# Altium PCB graviton.PcbDoc (part 6 of 15) (continued)
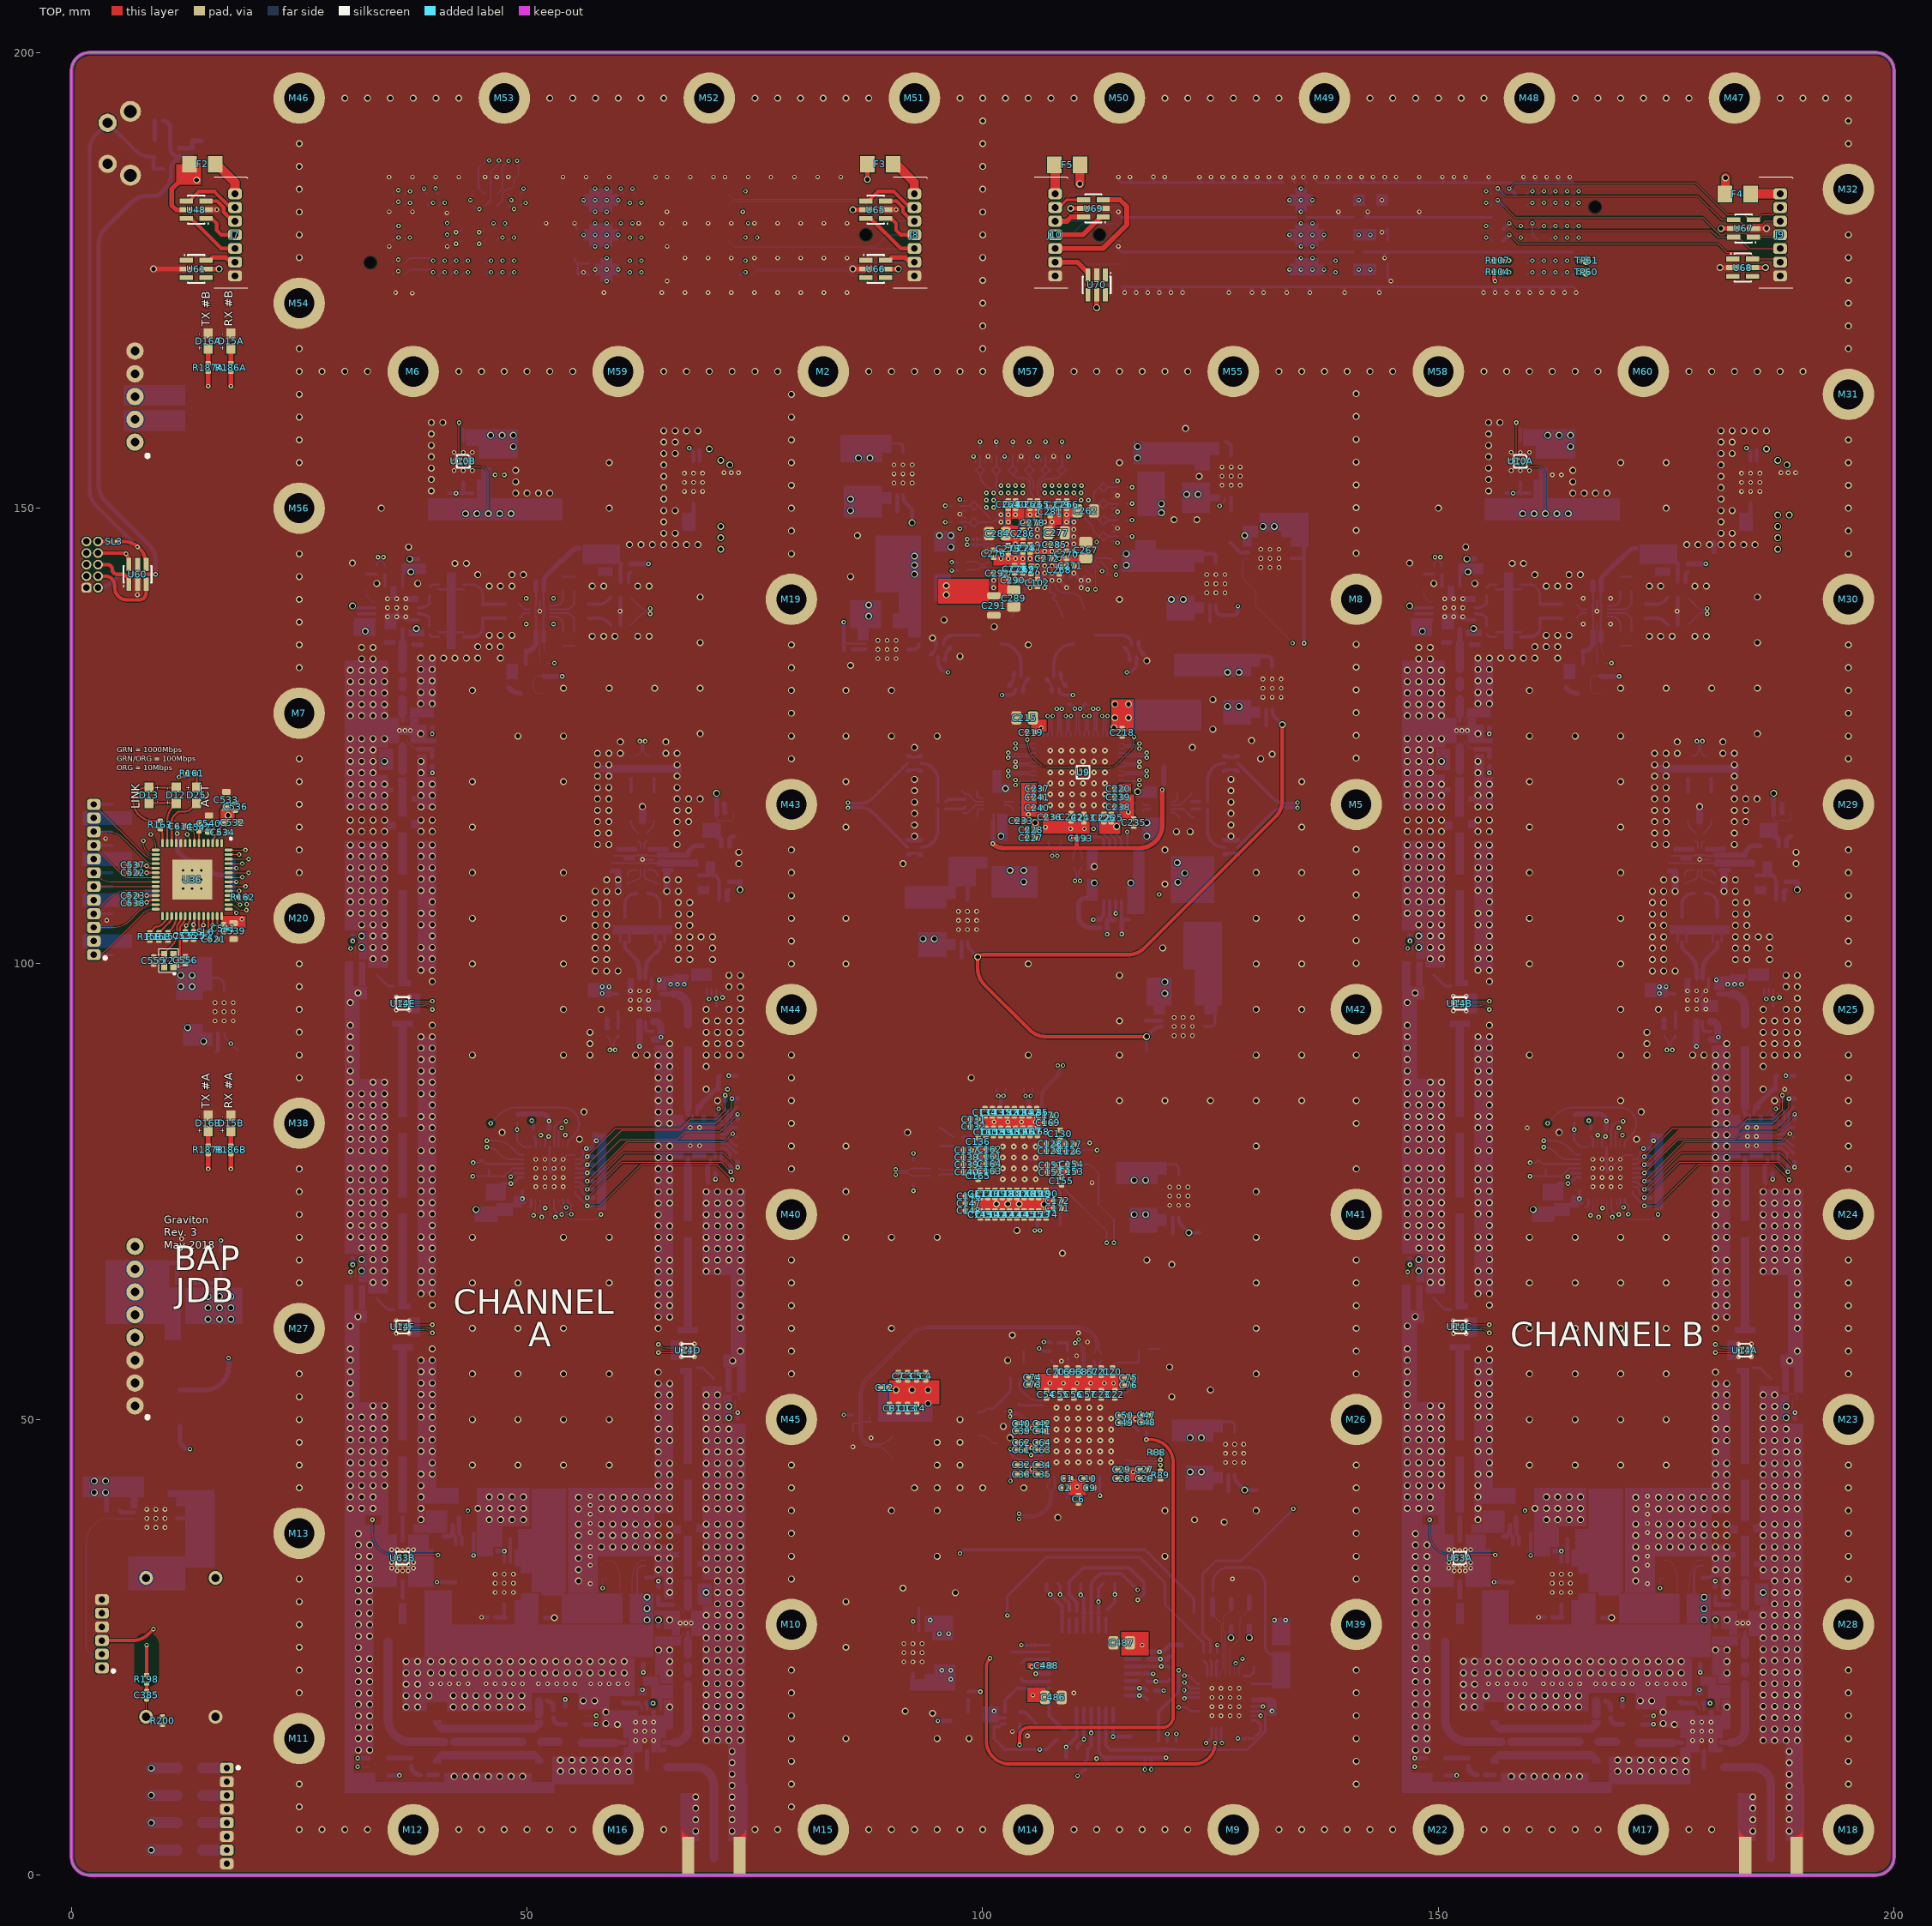
[diagram p0: TOP view]
## Nets (pads, with @x,y where several pads share a name; then routed paths per layer and width w, separated by ;. In a path a pad name is that pad's centre, name@x,y a point inside that pad or via, vN(x,y) a via of type N, cw(c..) or ccw(c..) an arc to the next point about the centre after c; other vN are vias at no path point) (continued)
  BOT w0.159: v3(107.114,127.2) cw(c107.114,127.05) v3@107.22,127.156 ; U21.50@107.15,124.95 107.15,125.301 cw(c107.581,125.301) 107.276,125.606 107.276,127.1 v3@107.22,127.156 ; J6.2@164.765,184.445 165.108,184.788 v3(165.4,184.788)
ADC0-LVDS.ADC-D13_2_P: J6.3 U21.51 | length 98.9
  S1 w0.098: v3(107.686,127.2) 107.506,127.379 107.506,129.751 114.206,136.45 115.497,136.45 134.299,155.252 134.299,166.774 134.733,167.208 ccw(c134.537,167.403) 134.813,167.403 ccw(c134.537,167.403) 134.733,167.598 134.688,167.642 cw(c134.732,167.687) 134.688,167.732 134.848,167.892 cw(c134.892,167.847) 134.937,167.892 ; 134.937,167.892 135.102,167.727 ; 135.102,167.727 135.244,167.585 ccw(c135.439,167.78) 135.634,167.585 135.794,167.745 ; 135.794,167.745 ccw(c135.599,167.94) 135.875,167.94 ccw(c135.599,167.94) 135.794,168.135 135.652,168.277 135.487,168.442 cw(c135.532,168.487) 135.487,168.531 135.647,168.691 cw(c135.691,168.646) 135.736,168.691 136.043,168.384 ccw(c136.238,168.579) 136.433,168.384 136.593,168.544 ccw(c136.398,168.739) 136.674,168.739 ccw(c136.398,168.739) 136.593,168.934 136.451,169.076 136.286,169.241 ; 136.286,169.241 cw(c136.331,169.286) 136.286,169.33 136.446,169.49 cw(c136.491,169.446) 136.535,169.491 ; 136.536,169.49 136.7,169.326 ; 136.7,169.325 136.842,169.184 ccw(c137.037,169.379) 137.232,169.184 137.392,169.343 ccw(c137.197,169.538) 137.473,169.538 ccw(c137.197,169.538) 137.392,169.734 ; 137.37,169.756 cw(c137.415,169.8) 137.37,169.845 137.569,170.044 145.101,170.044 153.482,178.425 153.482,180.808 154.905,182.231 164.313,182.231 164.863,182.781 164.863,183.913 164.975,184.025 165.175,184.025 165.4,183.8 v3(165.4,183.518)
  BOT w0.159: U21.51@107.65,124.95 107.65,125.301 ccw(c107.219,125.301) 107.524,125.606 107.524,127.1 107.58,127.156 cw(c107.686,127.05) v3(107.686,127.2) ; J6.3@164.765,183.175 165.108,183.518 v3(165.4,183.518)
ADC0-LVDS.ADC-D14_2_N: J6.35 U21.52 | length 98.1
  S1 w0.098: v3(108.114,128) 108.294,128.179 108.294,130.088 114.338,136.132 115.629,136.132 135.05,155.553 135.05,155.863 ccw(c134.987,155.863) 134.987,155.926 134.894,155.926 cw(c134.894,156.202) 134.618,156.202 134.618,156.428 cw(c134.894,156.428) 134.894,156.704 135.461,156.704 ccw(c135.461,156.767) 135.524,156.767 135.524,156.993 ccw(c135.461,156.993) 135.461,157.057 134.894,157.057 cw(c134.894,157.332) 134.618,157.332 134.618,157.558 cw(c134.894,157.558) 134.894,157.834 135.461,157.834 ccw(c135.461,157.898) 135.524,157.898 135.524,158.124 ccw(c135.461,158.124) 135.461,158.187 134.894,158.187 cw(c134.894,158.463) 134.618,158.463 134.618,158.689 cw(c134.894,158.689) 134.894,158.965 135.461,158.965 ccw(c135.461,159.028) 135.524,159.028 135.524,159.254 ccw(c135.461,159.254) 135.461,159.317 134.894,159.317 cw(c134.894,159.593) 134.618,159.593 134.618,159.819 cw(c134.894,159.819) 134.894,160.095 135.461,160.095 ccw(c135.461,160.158) 135.524,160.158 135.524,160.384 ccw(c135.461,160.384) 135.461,160.447 134.894,160.447 cw(c134.894,160.723) 134.618,160.723 134.618,160.949 cw(c134.894,160.949) 134.894,161.225 135.461,161.225 ccw(c135.461,161.288) 135.524,161.288 135.524,161.515 ccw(c135.461,161.515) 135.461,161.578 134.894,161.578 cw(c134.894,161.854) 134.618,161.854 134.618,162.08 cw(c134.894,162.08) 134.894,162.356 135.461,162.356 ccw(c135.461,162.419) 135.524,162.419 135.524,162.645 ccw(c135.461,162.645) 135.461,162.708 135.326,162.708 cw(c135.326,162.984) 135.05,162.984 135.05,163.626 135.524,164.1 135.524,167.025 138.225,169.726 145.233,169.726 153.8,178.293 153.8,180.676 155.037,181.913 160.655,181.913 v3(161.59,180.978)
  BOT w0.159: v3(108.114,128) cw(c108.114,127.851) 108.22,127.956 108.276,127.9 108.276,125.606 ccw(c108.581,125.301) 108.15,125.301 U21.52@108.15,124.95 ; J6.35@160.955,180.635 161.298,180.978 v3(161.59,180.978)
ADC0-LVDS.ADC-D14_2_P: J6.36 U21.53 | length 97.7
  S1 w0.098: v3(108.686,128) 108.506,128.179 108.506,129.999 114.426,135.919 115.717,135.919 135.263,155.465 135.263,155.863 ccw(c134.987,155.863) 134.987,156.139 134.894,156.139 cw(c134.894,156.202) 134.83,156.202 134.83,156.428 cw(c134.894,156.428) 134.894,156.491 135.461,156.491 ccw(c135.461,156.767) 135.737,156.767 135.737,156.993 ccw(c135.461,156.993) 135.461,157.269 134.894,157.269 cw(c134.894,157.332) 134.83,157.332 134.83,157.558 cw(c134.894,157.558) 134.894,157.622 135.461,157.622 ccw(c135.461,157.898) 135.737,157.898 135.737,158.124 ccw(c135.461,158.124) 135.461,158.4 134.894,158.4 cw(c134.894,158.463) 134.83,158.463 134.83,158.689 cw(c134.894,158.689) 134.894,158.752 135.461,158.752 ccw(c135.461,159.028) 135.737,159.028 135.737,159.254 ccw(c135.461,159.254) 135.461,159.53 134.894,159.53 cw(c134.894,159.593) 134.83,159.593 134.83,159.819 cw(c134.894,159.819) 134.894,159.882 135.461,159.882 ccw(c135.461,160.158) 135.737,160.158 135.737,160.384 ccw(c135.461,160.384) 135.461,160.66 134.894,160.66 cw(c134.894,160.723) 134.83,160.723 134.83,160.949 cw(c134.894,160.949) 134.894,161.013 135.461,161.013 ccw(c135.461,161.288) 135.737,161.288 135.737,161.515 ccw(c135.461,161.515) 135.461,161.79 134.894,161.79 cw(c134.894,161.854) 134.83,161.854 134.83,162.08 cw(c134.894,162.08) 134.894,162.143 135.461,162.143 ccw(c135.461,162.419) 135.737,162.419 135.737,162.645 ccw(c135.461,162.645) 135.461,162.921 135.326,162.921 cw(c135.326,162.984) 135.263,162.984 135.263,163.538 135.737,164.012 135.737,166.937 138.313,169.513 145.321,169.513 154.013,178.205 154.013,180.588 155.125,181.7 159.89,181.7 v3(160.32,181.27)
  BOT w0.159: U21.53@108.65,124.95 108.65,125.301 ccw(c108.219,125.301) 108.524,125.606 108.524,127.9 108.58,127.956 cw(c108.686,127.851) v3(108.686,128) ; v3(160.32,181.27) 160.32,180 J6.36@160.955,179.365
ADC0-LVDS.ADC-D15_2_N: J6.76 U21.54 | length 99.8
  S1 w0.098: v3(109.114,127.2) 109.294,127.379 109.294,130.336 114.558,135.601 119.601,135.601 122.9,138.9 122.9,142.652 129.186,148.938 130.875,148.938 131.261,149.324 ccw(c131.216,149.368) 131.28,149.368 ccw(c131.216,149.368) 131.261,149.413 130.782,149.892 cw(c130.978,150.087) 130.782,150.282 130.942,150.442 ; 130.942,150.442 cw(c131.137,150.247) 131.332,150.442 131.931,149.843 132.53,149.245 ccw(c132.574,149.289) 132.619,149.244 ; 132.619,149.245 132.779,149.404 ; 132.779,149.405 ccw(c132.734,149.449) 132.797,149.449 ccw(c132.734,149.449) 132.779,149.494 132.18,150.092 131.582,150.691 cw(c131.777,150.886) 131.582,151.081 131.742,151.241 cw(c131.937,151.046) 132.132,151.241 133.329,150.044 ccw(c133.373,150.089) 133.418,150.044 133.578,150.204 ccw(c133.533,150.249) 133.596,150.249 ccw(c133.533,150.249) 133.578,150.293 132.381,151.49 cw(c132.576,151.685) 132.381,151.88 132.541,152.04 cw(c132.736,151.845) 132.931,152.04 133.529,151.442 134.128,150.843 ccw(c134.173,150.888) 134.217,150.843 ; 134.218,150.843 134.377,151.003 ccw(c134.333,151.048) 134.396,151.048 ccw(c134.333,151.048) 134.377,151.092 133.18,152.289 cw(c133.375,152.485) 133.18,152.68 133.34,152.84 cw(c133.535,152.644) 133.73,152.84 134.928,151.642 ccw(c134.972,151.687) 135.017,151.642 135.177,151.803 ccw(c135.132,151.847) 135.195,151.847 ccw(c135.132,151.847) 135.177,151.891 ; 135.176,151.892 134.578,152.49 133.979,153.089 cw(c134.174,153.284) 133.979,153.479 134.139,153.639 cw(c134.334,153.444) 134.529,153.639 135.008,153.16 ccw(c135.053,153.205) 135.097,153.16 135.637,153.7 135.65,153.7 136.055,154.105 136.055,166.805 138.445,169.195 145.765,169.195 155.24,178.67 v3(155.24,179.708)
  BOT w0.159: v3(109.114,127.2) cw(c109.114,127.05) 109.22,127.156 109.276,127.1 109.276,125.606 ccw(c109.581,125.301) 109.15,125.301 U21.54@109.15,124.95 ; v3(155.24,179.708) 155.532,179.708 J6.76@155.875,179.365
ADC0-LVDS.ADC-D15_2_P: J6.75 U21.55 | length 101.4
  S1 w0.098: v3(109.686,127.2) 109.506,127.379 109.506,130.248 114.646,135.388 119.689,135.388 123.113,138.812 123.113,142.564 129.274,148.725 130.963,148.725 131.411,149.173 ccw(c131.216,149.368) 131.492,149.368 ccw(c131.216,149.368) 131.411,149.564 130.933,150.042 cw(c130.978,150.087) 130.933,150.132 131.093,150.292 cw(c131.137,150.247) 131.182,150.291 131.78,149.693 ; 131.732,150.931 ccw(c131.777,150.886) 131.732,150.841 132.331,150.243 ; 131.732,150.931 131.892,151.091 cw(c131.937,151.046) 131.981,151.091 133.178,149.894 ; 131.781,149.693 132.379,149.094 ccw(c132.574,149.289) 132.769,149.094 132.929,149.254 ccw(c132.734,149.449) 133.01,149.449 ccw(c132.734,149.449) 132.929,149.644 132.331,150.243 ; 133.178,149.894 ccw(c133.373,150.089) 133.569,149.894 133.728,150.053 ccw(c133.533,150.249) 133.809,150.249 ccw(c133.533,150.249) 133.728,150.444 132.531,151.641 cw(c132.576,151.685) 132.531,151.73 132.691,151.89 cw(c132.736,151.845) 132.781,151.89 133.379,151.292 133.978,150.693 ccw(c134.173,150.888) 134.368,150.693 134.528,150.853 ccw(c134.333,151.048) 134.608,151.048 ccw(c134.333,151.048) 134.528,151.243 133.929,151.841 ; 133.929,151.842 133.33,152.44 cw(c133.375,152.485) 133.33,152.529 133.49,152.689 cw(c133.535,152.644) 133.58,152.689 134.777,151.492 ccw(c134.972,151.687) 135.167,151.492 135.327,151.652 ccw(c135.132,151.847) 135.408,151.847 ccw(c135.132,151.847) 135.327,152.042 134.13,153.239 cw(c134.174,153.284) 134.13,153.329 134.29,153.489 cw(c134.334,153.444) 134.379,153.488 134.858,153.01 ccw(c135.053,153.205) 135.248,153.01 135.65,153.412 135.663,153.412 136.268,154.017 136.268,166.717 138.533,168.982 145.853,168.982 155.675,178.804 155.675,180.543 v3(155.24,180.978)
  BOT w0.159: U21.55@109.65,124.95 109.65,125.301 ccw(c109.219,125.301) 109.524,125.606 109.524,127.1 109.58,127.156 cw(c109.686,127.05) v3(109.686,127.2) ; v3(155.24,180.978) 155.532,180.978 J6.75@155.875,180.635
ADC0-LVDS.ADC-DCLK_2_N: J6.6 TP63.1 U21.56 | length 96.6
  S1 w0.098: v3(110.114,128) 110.294,127.821 110.294,126.587 112.193,124.687 115.363,124.687 132.439,141.763 133.216,141.763 134.35,142.897 134.35,146.921 139.325,151.896 139.325,165.85 140.332,166.857 146.733,166.857 157.45,177.574 159.323,177.574 160.18,178.431 164.232,178.431 164.838,179.037 164.838,180.063 164.95,180.175 165.175,180.175 165.4,179.95 v3(165.4,179.708)
  BOT w0.159: v3(110.114,128) cw(c110.114,127.851) 110.22,127.956 110.276,127.9 110.276,125.606 ccw(c110.581,125.301) 110.15,125.301 U21.56@110.15,124.95 ; J6.6@164.765,179.365 165.108,179.708 v3(165.4,179.708)
  BOT w0.356: TP63.1@109.5,128.5 109.614,128.5 v3(110.114,128)
ADC0-LVDS.ADC-DCLK_2_P: J6.5 TP62.1 U21.57 | length 96.3
  S1 w0.098: v3(110.686,128) 110.506,127.821 110.506,126.675 112.281,124.9 115.275,124.9 132.35,141.975 133.128,141.975 134.137,142.985 134.137,147.009 139.112,151.984 139.112,165.938 140.244,167.07 146.645,167.07 157.362,177.787 159.235,177.787 160.092,178.644 164.144,178.644 164.625,179.125 164.625,180.151 164.862,180.388 165.175,180.388 165.4,180.613 v3(165.4,180.978)
  BOT w0.159: v3@110.58,127.956 110.524,127.9 110.524,125.606 cw(c110.219,125.301) 110.65,125.301 U21.57@110.65,124.95 ; v3@110.58,127.956 cw(c110.686,127.851) v3(110.686,128) ; J6.5@164.765,180.635 165.108,180.978 v3(165.4,180.978)
  BOT w0.356: v3(110.686,128) 110.75,128 TP62.1@111.25,128.5
ADC0-LVDS.ADC-SYNC_2_N: J6.69 R104.1 R106.1 | length 118.9
  TOP w0.159: v3@157.753,175.925 v3(157.78,175.898)
  TOP w0.35: R104.1@156.995,175.925 v3@157.753,175.925
  S1 w0.098: v3(107.614,111.85) 107.794,112.029 107.794,114.694 109.112,116.013 117.013,116.013 118.713,117.713 120.713,117.713 129.862,126.862 129.862,134.007 137.487,141.632 137.487,145.378 139.122,147.013 150.513,147.013 154,150.5 154,159.601 156.662,162.263 156.662,165.861 156.814,166.013 164.063,166.013 165.85,167.8 165.85,177.425 165.375,177.9 160.4,177.9 158.912,176.412 158.295,176.412 v3(157.78,175.898)
  BOT w0.159: J6.69@157.145,175.555 157.488,175.898 v3(157.78,175.898)
  BOT w0.178: R106.1@107.2,113.405 ccw(c108.03,113.405) 107.443,112.818 cw(c106.662,112.037) 107.767,112.037 107.767,111.95 107.704,111.887 cw(c107.614,111.977) v3(107.614,111.85)
ADC0-LVDS.ADC-SYNC_2_P: J6.68 R105.1 R107.2 | length 119.2
  TOP w0.159: v3@157.749,177.175 v3(157.758,177.184)
  TOP w0.35: R107.2@156.995,177.175 v3@157.749,177.175
  S1 w0.098: v3(108.186,111.85) 108.006,112.029 108.006,114.606 109.2,115.8 117.101,115.8 118.801,117.5 120.801,117.5 130.075,126.774 130.075,133.919 137.7,141.544 137.7,145.29 139.21,146.8 150.601,146.8 154.213,150.412 154.213,159.513 156.875,162.175 156.875,165.773 156.902,165.8 164.151,165.8 166.063,167.712 166.063,177.513 165.463,178.113 160.312,178.113 158.824,176.625 158.316,176.625 v3(157.758,177.184)
  BOT w0.159: J6.68@157.145,176.825 157.488,177.168 v3@157.78,177.168
  BOT w0.178: v3(108.186,111.85) cw(c108.186,111.977) 108.096,111.887 108.033,111.95 108.033,112.037 cw(c109.138,112.037) 108.357,112.818 ccw(c107.77,113.405) R105.1@108.6,113.405
ADC-CLK.C_2_N: C335.1 R6.2 U1.27 | length 81.1
  S2 w0.098: v3(103,50.338) cw(c103.433,49.905) 103.433,50.517 104.178,50.517 ccw(c104.178,53.27) 106.125,51.324 107.13,52.329 cw(c108.75,50.709) 108.75,53 114.113,53 ccw(c114.113,54.3) 115.413,54.3 115.413,58.148 ccw(c112.66,58.148) 114.606,60.094 105.844,68.857 cw(c107.64,70.653) 105.1,70.653 105.1,71.948 cw(c107.64,71.948) 105.844,73.744 108.906,76.806 ccw(c106.96,78.753) 109.713,78.753 109.713,103.706 cw(c110.694,103.706) 110,104.4 ccw(c108.762,105.638) 110.513,105.638 110.513,108.682 cw(c111.103,108.682) v3(110.686,109.1)
  BOT w0.159: R6.2@103.25,49.695 cw(c103.854,50.299) 103,50.299 v3(103,50.338) 103.1,50.438 cw(c103.25,50.287) 103.25,50.5 103.75,50.5 cw(c103.75,50.138) 104.006,50.394 104.325,50.075 ccw(c105.287,51.037) 105.287,49.676 105.944,49.676 ccw(c106.249,49.981) 106.249,49.55 U1.27@106.55,49.55 ; v3(110.686,109.1) 110.568,109.217 cw(c110.676,109.325) 110.524,109.325 110.524,109.825 cw(c111.414,109.825) 110.785,110.455 C335.1@110.9,110.57
ADC-CLK.C_2_P: C334.1 R7.2 U1.28 | length 80.8
  S2 w0.098: v3(103,50.91) ccw(c103.433,51.343) 103.433,50.73 104.178,50.73 ccw(c104.178,53.27) 105.974,51.474 106.979,52.479 cw(c108.75,50.709) 108.75,53.213 114.113,53.213 ccw(c114.113,54.3) 115.2,54.3 115.2,58.148 ccw(c112.66,58.148) 114.456,59.944 105.694,68.706 cw(c107.64,70.653) 104.887,70.653 104.887,71.948 cw(c107.64,71.948) 105.694,73.894 108.756,76.957 ccw(c106.96,78.753) 109.5,78.753 109.5,103.706 cw(c110.694,103.706) 109.85,104.55 ccw(c108.762,105.638) 110.3,105.638 110.3,108.652 ccw(c109.666,108.652) v3(110.114,109.1)
  BOT w0.159: R7.2@102.25,50.89 cw(c102.297,50.843) 102.297,50.91 v3(103,50.91) 103.1,50.81 ccw(c103.25,50.96) 103.25,50.748 103.75,50.748 cw(c103.75,50.138) 104.181,50.569 ; 104.181,50.569 104.5,50.25 ccw(c105.287,51.037) 105.287,49.924 105.944,49.924 cw(c106.249,49.619) 106.249,50.05 U1.28@106.55,50.05 ; C334.1@109.9,110.57 110.015,110.455 cw(c109.386,109.825) 110.276,109.825 110.276,109.325 cw(c110.124,109.325) 110.232,109.218 v3(110.114,109.1)
ADC-CS_2: C380.1 R138.1 TP46.1 U8.5 | length 91
  S1 w0.098: v2(113.65,103.245) 114.705,104.3 115.45,104.3 116,103.75 116,102.85 113.209,100.059 113.209,75.309 108.198,70.298 108.198,53.702 108.675,53.225 108.675,44.475 109.925,43.225 112.55,43.225 114.5,41.275 v2(114.5,30.8)
  BOT w0.35: 113.925,104.85 U8.5@113.925,106.925
  BOT w0.356: R138.1@113.688,29.112 114.5,29.925 v2(114.5,30.8) TP46.1@114.5,32
  BOT w0.51: v2(113.65,103.245) 113.65,104.83 ; 113.665,104.83 C380.1@114.45,104.83
ADC-RST_2: R61.1 SL19.2 TP47.1 U8.6 | length 93.1
  S1 w0.098: v2(110.75,30.75) 110.25,30.75 109.1,29.6 105.15,29.6 101.75,33 101.75,46.605 cw(c104.176,46.605) 102.461,48.321 103.421,49.281 ccw(c101.625,51.077) 104.165,51.077 104.165,67.265 110.725,73.825 110.725,103.44 v2(112.13,104.845)
  BOT w0.35: R61.1@112.85,104.845 112.85,104.925 113.275,105.35 U8.6@113.275,106.925
  BOT w0.356: TP47.1@110.75,32 v2(110.75,30.75) 111.1,30.4 SL19.2@111.1,28.82
  BOT w0.51: v2(112.13,104.845) R61.1@112.85,104.845
ADC-SPI.MOSI_2: R237.1 SL23.2 TP38.1 U1.20 U2.P11 U5.8 U7.5 U8.4 U54A.8 U54B.8 | length 497.6
  S1 w0.1: v3(105.3,46.1) 104.1,47.3 102.7,47.3 102.2,46.8 102.2,33.1 105.499,29.801 108.901,29.801 110.7,31.6 112.6,31.6 113.4,30.8 113.4,29.2 108.4,24.2 108.4,13.8 109.1,13.1 111,13.1 111.9,14 v2(111.9,15.6) 111.9,22.9 114.8,25.8 119.3,25.8 120.9,24.2 120.9,20.5 121.6,19.8 122.5,19.8 123,19.3 123,18.5 125,16.5 125,14.1 125.4,13.7 126.6,13.7 127.2,14.3 127.2,15.5 128.1,16.4 129.4,16.4 v3(130.5,17.5) ; v3(112.375,141.1) 98.204,126.929 98.204,110.734 102.835,106.102 114.023,106.102 v3(114.6,105.525) 111.225,102.15 111.225,80.125 111.8,79.55 v2(112.555,79.55)
  S1 w0.159: v3(105.3,46.1) 106.8,47.6 106.8,54.2 107.7,55.1 107.7,70.477 112.555,75.332 v2(112.555,79.55)
  S2 w0.095: v2(45.575,79.875) 46.556,78.894 cw(c44.76,77.098) 47.3,77.098 47.3,70.159 60.889,56.57 65.461,56.57 66.587,57.696 72.212,57.696 72.929,58.413 78.613,58.413 78.619,58.419 83.281,58.419 85.806,55.894 cw(c84.01,54.098) 86.55,54.098 86.55,39.377 ccw(c89.09,39.377) 87.294,37.581 92.431,32.444 ccw(c94.227,34.24) 94.227,31.7 101.898,31.7 ccw(c101.898,34.24) 103.694,32.444 106.506,35.256 cw(c108.302,33.46) 108.302,36 113.2,36 116,33.2 116,12.5 117.4,11.1 118.9,11.1
  S2 w0.1: 118.9,11.1 119.3,11.5 119.3,15.7 119.7,16.1 120.7,16.1 ; v3(130.5,17.5) 129.6,18.4 129.6,19.7 126.1,23.2 121.4,23.2 121,22.8 121,19.5 122,18.5 122,15.6 121.3,14.9 121,14.9 120.7,15.2 120.7,16.1 ; v2(161.575,79.875) 160.725,79.875 158.625,77.775 158.625,74.625 158.627,74.623 158.627,62.527 156.906,60.806 155.231,60.806 154.673,60.248 150.761,60.248 149.285,58.773 137.26,58.773 132.725,54.237 132.725,37.1 123.525,27.9 120.8,27.9 117.701,24.801 117.701,20.617 120.7,17.618 120.7,16.1
  BOT w0.1: U2.P11@111.2,144.07 111.631,144.07 112.375,143.326 v3(112.375,141.1)
  BOT w0.159: U7.5@107.385,78.896 108.896,78.896 109.55,79.55 v2(112.555,79.55)
  BOT w0.2: v2(45.575,79.875) cw(c45.575,78.185) 46.77,79.38 47.25,78.9 ccw(c48.095,79.745) 48.095,78.55 U54B.8@49.6,78.55 ; v2(161.575,79.875) cw(c161.575,78.185) 162.77,79.38 163.25,78.9 ccw(c164.095,79.745) 164.095,78.55 U54A.8@165.6,78.55
  BOT w0.25: v3@105.35,46.05 U1.20@106.55,46.05 ; v3@114.575,105.55 v3(114.6,105.525)
  BOT w0.28: U5.8@129.5,17.5 v3(130.5,17.5)
  BOT w0.35: v3@114.575,105.55 U8.4@114.575,106.925
  BOT w0.356: R237.1@111.25,12.445 111.5,12.695 TP38.1@111.5,13.75 111.9,14.15 v2(111.9,15.6) SL23.2@111.9,16.217
ADC-SPI.SCLK_2: C17.1 C18.1 C381.1 C483.1 R20.1 U1.19 U2.P9 U7.4 U8.3 | length 232.6
  S1 w0.098: v3(114.6,143.6) 112.373,143.6 111.7,142.927 111.7,142.6 112.9,141.4 112.9,140.309 110.942,138.351 110.118,138.351 98.403,126.636 98.403,110.816 102.918,106.302 114.598,106.302 115,105.9 115,105.165 113.247,103.412 113.247,103.078 113.483,102.842 113.817,102.842 114.235,103.26 v2(115.25,103.26) 115.25,102.381 111.75,98.881 v2(111.75,80.35) 112.55,80.35 113,79.9 113,75.453 108,70.453 108,53.4 107.5,52.9 107.5,47.2 105.9,45.6 104.195,45.6 v3(103.045,46.75) 102.5,46.205 102.5,33.25 105.75,30 108.5,30 110.4,31.9 112.9,31.9 113.7,31.1 113.7,29.1 108.7,24.1 108.7,13.8 108.9,13.6 110.7,13.6 111.503,14.403 111.503,15.067 111.4,15.17 111.4,23.3 114.4,26.3 119.7,26.3 121.5,24.5 v2(121.5,22.5)
  BOT w0.159: U7.4@107.385,79.396 108.951,79.396 109.825,80.27 C18.1@110.6,80.27 ; C18.1@110.695,80.25 v2@111.75,80.25 ; U2.P9@111.2,145.67 112.37,144.5 C483.1@113.9,144.5 ; C483.1@113.9,144.57 114.6,143.87 v3(114.6,143.6)
  BOT w0.25: v3@103,46.705 ccw(c104.065,46.705) 104.065,45.64 C17.1@104.25,45.64 ; C17.1@104.247,45.55 U1.19@106.55,45.55
  BOT w0.35: U8.3@115.225,106.925 115.225,104.87 115.25,104.845 115.255,104.85 C381.1@116.07,104.85
  BOT w0.356: R20.1@119.25,14.695 119.3,14.745 119.3,17.9 121.5,20.1 v2(121.5,22.5)
  BOT w0.51: v2(115.25,103.26) 115.25,104.845
ADC-TEMP_2: U5.35 U9.B1 | length 135.7
  TOP w0.1: U9.B1@111.275,121.275 cw(c112.06,120.49) 112.06,121.6 113.9,121.6 ccw(c113.9,122.807) 114.753,121.953 ; 114.754,121.954 116.317,123.517 ccw(c115.634,124.2) 116.6,124.2 v3(116.6,124.9)
  S1 w0.1: v3(116.6,124.9) 114.7,123 114.7,117.625 113.775,116.7 107.825,116.7 106.4,115.275 106.4,109.1 108.6,106.9 115.2,106.9 116.698,105.402 116.698,102.705 115.894,101.902 115.894,33.406 118.05,31.25 124.5,31.25 128.5,27.25 v3(128.5,23.75)
  BOT w0.1: U5.35@128.14,21.86 128.14,22.89 128.5,23.25 v3(128.5,23.75)
AMC7891_REFA: C473A.2 U54A.36 | length 1.2
  BOT w0.1: C473A.2@166,73.35 C473A.2@166.35,73.35
  BOT w0.28: C473A.2@166.35,73.35 166.46,73.46 U54A.36@166.46,74.19
AMC7891_REFB: C473B.2 U54B.36 | length 1.2
  BOT w0.1: C473B.2@50,73.35 C473B.2@50.35,73.35
  BOT w0.28: C473B.2@50.35,73.35 50.46,73.46 U54B.36@50.46,74.19
CLIENT-CLK.C_2_N: J6.219 R88.1 U1.62 | length 239.1
  TOP w0.159: v3(119.5,45.586) R88.1@119.5,46.4
  S2 w0.098: v3(119.5,45.586) ccw(c119.933,46.019) 119.933,45.406 122.154,45.406 ccw(c122.154,47.946) 123.95,46.15 126.306,48.506 ccw(c124.51,50.302) 127.05,50.302 127.05,78.896 cw(c129.803,78.896) 127.856,80.842 134.421,87.406 cw(c136.367,85.46) 136.367,88.213 141.46,88.213 ccw(c141.46,90.753) 144,90.753 144,92.213 cw(c146.25,92.213) 146.25,94.463 148.295,94.463 ccw(c148.295,96.555) 149.775,95.075 cw(c150.722,94.128) 150.722,95.468 153.634,95.468 cw(c153.634,94.384) 154.4,95.15 154.443,95.108 ccw(c156,96.664) 156,94.463 159.448,94.463 cw(c159.448,91.71) 161.394,93.656 165.307,89.744 ccw(c167.103,91.54) 167.103,89 173.948,89 ccw(c173.948,91.54) 175.744,89.744 176.275,90.275 ccw(c175.368,91.181) 176.65,91.181 176.65,97.188 cw(c178.65,97.188) 178.65,99.188 186.088,99.188 ccw(c186.088,100.325) 187.225,100.325 187.225,113.846 cw(c188.504,113.846) 187.6,114.75 ccw(c186.029,116.321) 188.25,116.321 188.25,138.448 ccw(c185.71,138.448) 187.506,140.244 183.744,144.006 ccw(c181.948,142.21) 181.948,144.75 158.839,144.75 cw(c158.839,147.503) 156.893,145.556 154.094,148.356 cw(c156.04,150.302) 153.287,150.302 153.287,166.661 ccw(c150.747,166.661) 152.543,168.457 145.056,175.944 ccw(c143.11,173.997) 143.11,176.75 140,176.75 ccw(c140,175.742) 139.287,176.455 v3(138.73,175.898)
  BOT w0.159: U1.62@115.65,45.55 115.951,45.55 cw(c115.951,45.119) 116.256,45.424 119.25,45.424 ccw(c119.25,45.636) 119.4,45.486 v3(119.5,45.586) ; J6.219@138.095,175.555 138.438,175.898 v3(138.73,175.898)
CLIENT-CLK.C_2_P: J6.218 R89.2 U1.63 | length 239.4
  TOP w0.159: R89.2@119.5,44.345 v3(119.5,45.014)
  S2 w0.098: v3(119.5,45.014) cw(c119.933,44.581) 119.933,45.194 122.154,45.194 ccw(c122.154,47.946) 124.101,46 126.456,48.356 ccw(c124.51,50.302) 127.263,50.302 127.263,78.896 cw(c129.803,78.896) 128.007,80.692 134.571,87.256 cw(c136.367,85.46) 136.367,88 141.46,88 ccw(c141.46,90.753) 144.213,90.753 144.213,92.213 cw(c146.25,92.213) 146.25,94.25 148.295,94.25 ccw(c148.295,96.555) 149.925,94.925 cw(c150.722,94.128) 150.722,95.255 153.634,95.255 cw(c153.634,94.384) 154.25,95 154.355,94.895 ccw(c155.912,96.451) 155.912,94.25 159.448,94.25 cw(c159.448,91.71) 161.244,93.506 165.156,89.594 ccw(c167.103,91.54) 167.103,88.787 173.948,88.787 ccw(c173.948,91.54) 175.894,89.594 176.425,90.124 ccw(c175.368,91.181) 176.863,91.181 176.863,97.188 cw(c178.65,97.188) 178.65,98.975 186.088,98.975 ccw(c186.088,100.325) 187.438,100.325 187.438,113.846 cw(c188.504,113.846) 187.75,114.6 ccw(c186.029,116.321) 188.463,116.321 188.463,138.448 ccw(c185.71,138.448) 187.656,140.394 183.894,144.156 ccw(c181.948,142.21) 181.948,144.963 158.839,144.963 cw(c158.839,147.503) 157.043,145.707 154.244,148.506 cw(c156.04,150.302) 153.5,150.302 153.5,166.661 ccw(c150.747,166.661) 152.694,168.607 145.082,176.219 ccw(c143.286,174.423) 143.286,176.963 139.225,176.963 cw(c139.225,177.663) v3(138.73,177.168)
  BOT w0.159: U1.63@115.65,45.05 115.951,45.05 ccw(c115.951,45.481) 116.256,45.176 119.25,45.176 cw(c119.25,44.964) 119.4,45.114 v3(119.5,45.014) ; J6.218@138.095,176.825 138.438,177.168 v3(138.73,177.168)
CLK-40_38: R137.1 R198.2 | length 155.4
  TOP w0.356: R198.2@8.25,21.945 v3(8.25,25.25)
  S2 w0.098: v3(8.25,25.25) 8.25,28.548 cw(c10.79,28.548) 8.994,30.344 19.981,41.331 ccw(c18.185,43.127) 20.725,43.127 20.725,45.723 cw(c23.265,45.723) 21.469,47.519 27.799,53.849 ccw(c27.074,54.575) 28.1,54.575 28.1,55.823 cw(c30.64,55.823) 28.844,57.619 30.831,59.606 cw(c32.627,57.81) 32.627,60.35 37.4,60.35 ccw(c37.4,61.436) 38.168,60.668 38.668,61.168 cw(c39.65,60.187) 39.65,61.575 40.335,61.575 ccw(c40.335,64.115) 42.875,64.115 42.875,81.198 cw(c45.415,81.198) 43.619,82.994 44.981,84.356 cw(c46.777,82.56) 46.777,85.1 56.598,85.1 cw(c56.598,82.56) 58.394,84.356 61.081,81.669 ccw(c62.877,83.465) 62.877,80.925 82.098,80.925 cw(c82.098,78.385) 83.894,80.181 v2@106.147,57.928 ; v2@106.147,57.928 cw(c106.019,57.8) v2(106.2,57.8)
  BOT w0.356: v2(106.2,57.8) ccw(c107.057,58.657) 107.057,57.445 R137.1@107.4,57.445
CLK-40_T: R137.2 U1.34 | length 3.8
  BOT w0.25: R137.2@107.5,56.5 107.85,56.15 U1.34@107.85,52.85
CLK-CS_2: C482.1 R196.1 TP36.1 U1.18 | length 25.2
  S1 w0.098: v3(103.045,43.25) 103.045,33.205 106,30.25 107.95,30.25 v2(108.5,30.8)
  BOT w0.25: v3(103.045,43.25) 103.045,44.045 103.61,44.61 C482.1@104.25,44.61 104.69,45.05 U1.18@106.55,45.05
  BOT w0.356: TP36.1@108.25,32 108.5,31.75 v2(108.5,30.8) 109.5,29.8 R196.1@109.5,28.97
CLK-RST_2: SL8.2 TP35.1 U1.5 | length 19.1
  S1 w0.098: v2(107.4,30.8) 107.4,36.2 v2(112.85,41.65)
  BOT w0.25: v2(112.85,41.65) U1.5@112.85,43.75
  BOT w0.356: TP35.1@107,32 107,31.2 v2(107.4,30.8) 108.7,29.5 SL8.2@108.7,28.82
CLK_2: R20.2 R21.2 R22.2 R244.2 SL21.2 TP37.1 U5.7 | length 26.1
  BOT w0.28: R22.2@120.25,13.75 129,13.75 131,15.75 131,17.75 130.75,18 U5.7@129.5,18
  BOT w0.356: SL21.2@113.5,16.217 113.5,14.25 TP37.1@114,13.75 R22.2@120.25,13.75 ; R20.2@119.25,13.805 R22.2@120.25,13.805 R21.2@121.25,13.805
CLKIN_T_21_N: C335.2 R102.2 U21.24 | length 4.6
  BOT w0.159: U21.24@110.65,115.85 110.65,115.499 cw(c110.219,115.499) 110.524,115.194 110.524,112.863 ccw(c111.349,112.863) 110.766,112.279 R102.2@110.845,112.2 110.845,111.879 ccw(c110.986,111.879) 110.886,111.779 110.9,111.779 C335.2@110.9,111.43
CLKIN_T_21_P: C334.2 R102.1 U21.25 | length 4.6
  BOT w0.159: C334.2@109.9,111.43 109.9,111.779 109.914,111.779 ccw(c109.814,111.879) 109.955,111.879 R102.1@109.955,112.2 110.034,112.279 ccw(c109.451,112.863) 110.276,112.863 110.276,115.194 cw(c110.581,115.499) 110.15,115.499 U21.25@110.15,115.85
CPOUT1_34: C81.1 R15.1 R17.2 U1.32 | length 5.8
  BOT w0.21: C81.1@105.75,54.82 104.741,54.82 ccw(c104.741,54.479) R17.2@104.5,54.72 104.415,54.635 ccw(c105.55,53.5) R15.1@103.945,53.5 104.651,52.794 ccw(c106.447,54.59) 106.447,52.05 U1.32@106.55,52.05
CPOUT2_34: C84.1 R16.2 U1.46 | length 7.5
  BOT w0.17: U1.46@113.85,52.85 113.85,55.1 cw(c115,55.1) 115,56.25 C84.1@117.125,56.25 R16.2@117.125,57.57
D0_T_27_N: R222.1 R223.1 R224.2 U2.P4 | length 5.8
  BOT w0.178: U2.P4@111.2,149.67 ccw(c111.2,151.42) 112.438,150.183 112.755,150.5 ; R222.1@114.855,150.5 113.755,150.5 ; 112.755,150.5 R223.1@113.255,151 113.755,150.5 ; 112.755,150.5 R224.2@113.255,150 113.755,150.5
D0_T_27_P: R219.1 R220.1 R221.2 U2.N4 | length 7.9
  BOT w0.178: U2.N4@110.4,149.67 110.465,149.735 cw(c111.3,148.901) 111.3,150.081 ccw(c111.3,151.001) 111.951,150.351 112,150.4 ccw(c111.517,150.883) 112.2,150.883 112.2,151.4 cw(c113.033,151.4) 112.444,151.989 112.755,152.3 ; R219.1@114.855,152.3 113.755,152.3 ; 112.755,152.3 R221.2@113.255,152.8 113.755,152.3 ; 112.755,152.3 R220.1@113.255,151.8 113.755,152.3
D1_28_N: T3.4 TP30.A | length 4.6
  BOT w0.356: TP30.A@95.674,135.024 cw(c96.704,135.024) 96.704,136.055 T3.4@99.652,136.055
D1_28_P: T3.6 TP28.A | length 4.8
  BOT w0.356: T3.6@102.007,135.103 cw(c102.007,132.906) 104.204,132.906 TP28.A@104.204,131.578
D2_28_N: T4.6 TP67.A | length 4.6
  BOT w0.356: T4.6@112.348,136.055 115.296,136.055 cw(c115.296,135.024) TP67.A@116.326,135.024